# KiCad board mxm_immobilizer.kicad_pcb (continued)
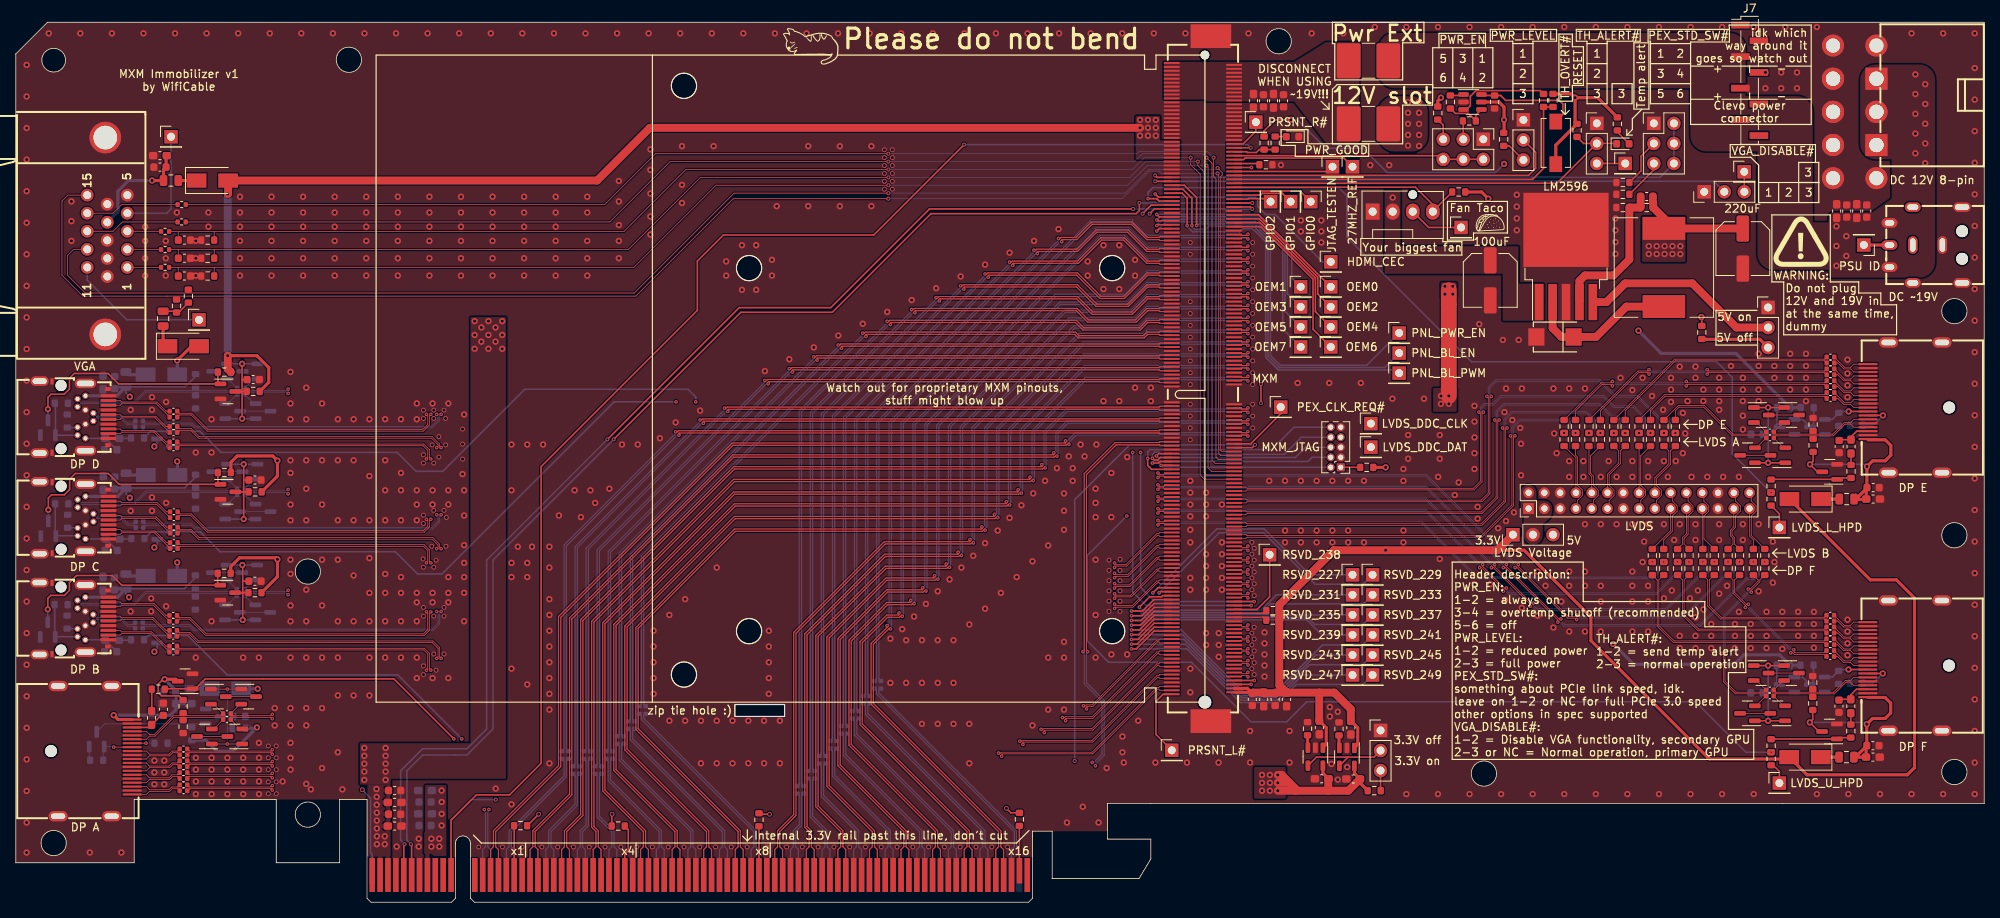
[diagram p0: board, top side]
## Routing (per net, layer and track width the routed paths; a pad name or vN(x,y) marks a point on that pad's centre or on a via; arc(x,y) is an arc through that point) (continued)
Net-(Q2-G): length 6.9
  Bottom w0.2: R16.2 5,46.46 Q2.1 5.11,46.42 7.83,46.42
Net-(Q3-D): length 29.1
  Top w0.2: Q7.1 13.43,40.17 12.2,41.4 7.7,41.4 6.8,40.5 6.8,39.51 6.17,38.88 4.43,38.88 4.05,38.5 v1(4.05,37.1) ; Q7.1 25.57,40.51 R21.1 ; Q7.1 25.9,40.17 25.7,40.37
  Bottom w0.2: Q3.3 v1(4.05,37.1)
Net-(Q3-G): length 7
  Bottom w0.2: R17.2 4.93,33.69 Q3.1 5.04,33.65 mDP_B1.4
Net-(Q4-D): length 14.2
  Bottom w0.1: Q4.3 11.26,22.6 Q8.1
Net-(Q4-G): length 5.3
  Top w0.1: DP_A1.13 v3(12.4,19.65)
  Bottom w0.1: v3(12.4,19.65) 12.34,19.71 Q4.1 11.07,19.59 11.07,18
Net-(Q10-D): length 3.9
  Bottom w0.1: Q10.3 Q18.3
Net-(Q10-G): length 16.8
  Top w0.2: Q5.3 28.63,64.72 ; 28.63,64.72 R24.1 ; 28.63,64.72 28.68,64.67 ; 28.68,64.67 28.68,66.17 ; 28.68,64.67 v1(28.68,61.27) ; 28.68,66.17 28.72,66.22 C58.2 ; 28.68,66.17 v1(28.68,68.22)
  Bottom w0.2: Q18.1 Q10.1 ; Q17.1 v1(28.68,68.22) Q9.1
Net-(Q11-D): length 3.9
  Bottom w0.1: Q11.3 Q19.3
Net-(Q11-G): length 17
  Top w0.2: 28.88,53.5 28.88,51.95 ; 28.88,53.5 v1(28.88,55.5) ; 28.88,53.5 C59.2 ; 28.88,51.95 28.93,52 R27.1 ; 28.88,51.95 v1(28.88,48.55) ; 28.88,51.95 28.82,52 Q6.3
  Bottom w0.2: Q20.1 v1(28.88,48.55) Q12.1 ; Q19.1 v1(28.88,55.5) Q11.1
Net-(Q12-D): length 3.9
  Bottom w0.1: Q12.3 Q20.3
Net-(Q13-D): length 3.9
  Bottom w0.1: Q13.3 Q21.3
Net-(Q13-G): length 17.3
  Top w0.2: 28.75,40.72 28.8,40.67 C60.2 ; 28.75,40.72 28.75,39.12 ; 28.75,40.72 28.75,42.67 ; 28.75,39.12 v1(28.75,35.77) ; 28.75,39.12 28.65,39.22 ; R30.1 28.65,39.22 ; 28.65,39.22 Q7.3 ; 28.75,42.72 28.7,42.77
  Bottom w0.2: Q21.1 v1(28.7,42.72) Q13.1 ; Q22.1 v1(28.75,35.77) Q14.1
Net-(Q14-D): length 3.8
  Bottom w0.1: Q14.3 Q22.3
Net-(Q15-D): length 3.8
  Top w0.1: Q23.3 Q15.3
Net-(Q15-G): length 16.9
  Top w0.1: Q24.1 v3(26.8,20.05) Q16.1 ; Q23.1 v3(26.8,27) Q15.1
  Bottom w0.1: C61.2 26.8,23.55 ; 26.8,23.55 Q8.3 ; 26.8,23.55 v3(26.8,27) ; 26.8,23.55 26.8,22.05 ; R33.1 26.8,22.05 ; 26.8,22.05 v3(26.8,20.05)
Net-(Q16-D): length 3.9
  Top w0.1: Q24.3 Q16.3
Net-(Q17-D): length 3.9
  Bottom w0.1: Q9.3 Q17.3
Net-(Q25-D): length 3.8
  Top w0.1: Q25.3 Q29.3
Net-(Q25-G): length 19.8
  Top w0.2: Q29.1 v1(222,62.68) Q25.1 ; Q30.1 v1(222,55.68) Q26.1
  Bottom w0.2: R106.1 223.13,60.57 Q33.3 222.95,60.23 222,59.28 ; 222,59.28 C79.2 ; 222,59.28 v1(222,62.68) ; 222,59.28 v1(222,55.68)
Net-(Q26-D): length 3.8
  Top w0.1: Q26.3 Q30.3
Net-(Q27-D): length 3.8
  Top w0.1: Q27.3 Q31.3
Net-(Q27-G): length 19.8
  Top w0.2: Q31.1 v1(222.01,29.99) Q27.1 ; Q28.1 Q32.1
  Bottom w0.2: 222.01,26.51 221.98,26.54 C80.2 ; 222.01,26.51 v1(222.01,29.99) ; 222.01,26.51 223.08,27.59 Q34.3 223.11,27.92 R109.1 ; 222.01,26.51 v1(222.01,22.99)
Net-(Q28-D): length 3.8
  Top w0.1: Q32.3 Q28.3
Net-(Q33-G): length 5
  Bottom w0.2: R112.1 227.78,60.69 Q35.3 226.36,61.18 Q33.1
Net-(Q34-G): length 5
  Bottom w0.2: R113.1 227.76,28.05 Q36.3 226.34,28.54 Q34.1
Net-(Q35-G): length 5.9
  Top w0.2: DP_E1.13 v1(232.2,62.18)
  Bottom w0.2: Q35.1 230.12,61.18 R114.1 231.13,62.18 v1(232.2,62.18)
Net-(Q36-G): length 5.9
  Top w0.2: DP_F1.13 v1(232.18,29.49)
  Bottom w0.2: Q36.1 230.16,28.54 R115.1 231.11,29.49 v1(232.18,29.49)
Net-(U1-ISET): length 1.6
  Top w0.4: R74.2 167.64,19.6 U1.3
Net-(U2-ISET): length 1.6
  Top w0.4: U2.3 163.65,19.62 R75.2
Net-(U3-D): length 12
  Top w0.2: R48.2 193.13,102.85 185,102.85 184.27,102.12 184.27,100.92 183.8,100.45 U3.3
Net-(U3-LE): length 1.7
  Top w0.2: R76.2 183.29,102.22 U3.1
Net-(U3-Q): length 5.6
  Top w0.2: R76.1 182.37,99.95 184.02,99.95 R77.1 184.98,99.74 U3.4
Net-(U3-~{OE}): length 13.4
  Top w0.2: U3.6 185.81,102.22 R73.1 188.12,102.22 188.75,101.6 195.55,101.6 196,101.15 196,99.82 SW1.2
Net-(U4-FB): length 19.5
  Top w1: C116.1 205.85,88.07 R118.2 R121.1 204.43,81.45 202.4,79.42 198.8,79.42 198.1,78.72 U4.4
Net-(VGA1-BLUE): length 4.3
  Top w0.1: VGA1.3 18.39,85.02 FB1.1
Net-(VGA1-GREEN): length 4.3
  Top w0.1: VGA1.2 18.38,82.73 FB2.1
Net-(VGA1-HSYNC): length 11.9
  Top w0.1: VGA1.13 12.32,85.02 13.5,86.2 FB4.1
Net-(VGA1-ID0): length 17.9
  Bottom w0.2: VGA1.11 9.05,78.81 14.07,73.8 TP2.1
Net-(VGA1-ID2): length 14.9
  Bottom w0.2: TP1.1 19.67,87.85 19.13,87.31 VGA1.4
Net-(VGA1-RED): length 4.3
  Top w0.1: VGA1.1 18.39,80.44 FB3.1
Net-(VGA1-VSYNC): length 11.9
  Top w0.1: VGA1.14 12.31,87.31 13.4,88.4 FB5.1

## Copper pours and planes (outline as drawn; the poured copper is in the pictures)
3V3_SLOT on Top: 182.55,62.15 179.55,62.15 179.55,65.15 182.55,65.15
3V3_SLOT on Top: 160.88,13.13 156.88,13.13 156.88,17.13 160.88,17.13
3V3_SLOT on Top: 182.55,76.55 180.55,76.55 180.55,78.55 182.55,78.55
3V3_SLOT on Top: 54.55,5.85 52.55,5.85 52.55,5.55 51.75,5.55 51.75,8.95 51.85,8.95 51.85,14.85 54.55,14.85
3V3_SLOT on Bottom: 54.55,5.55 52.75,5.55 52.75,5.85 51.75,5.85 51.75,8.95 51.85,8.95 51.85,14.85 54.55,14.85
3V3_SLOT on In3.Cu: 160.88,13.13 156.88,13.13 156.88,17.13 160.88,17.13
3V3_SLOT on In3.Cu: 182.55,76.55 180.55,76.55 180.55,78.55 182.55,78.55
3V3_SLOT on In3.Cu: 182.55,62.15 179.55,62.15 179.55,65.15 182.55,65.15
5V_REG on Top: 211.53,81.13 206.03,81.13 206.03,86.88 211.53,86.88
5V_REG on Top: 144.98,96.53 147.48,96.53 147.48,94.13 141.88,94.13 141.88,99.63 144.98,99.63
5V_REG on In3.Cu: 211.53,81.13 206.03,81.13 206.03,86.88 211.53,86.88
5V_REG on In3.Cu: 144.98,96.63 141.88,96.63 141.88,99.63 144.98,99.63
12V_SLOT on Top: 62.1,15.65 47.5,15.65 47.5,14.9 43.6,14.9 43.6,20.15 57.6,20.15 57.6,74.15 62.1,74.15
12V_SLOT on Top: 47.5,5.55 44.55,5.55 44.55,14.9 47.5,14.9
12V_SLOT on Top: 175.43,83.13 190.38,83.13 190.38,78.38 193.58,78.38 193.58,73.68 188.38,73.68 188.38,79.63 173.43,79.63 173.43,90.13 175.43,90.13
12V_SLOT on Top: 178.88,95.13 172.63,95.13 172.63,102.13 178.88,102.13
12V_SLOT on Bottom: 178.88,95.13 172.63,95.13 172.63,96.23 167.13,96.23 163.38,101.63 105.38,101.63 73.38,69.63 57.63,69.63 57.63,74.13 70.88,74.13 102.88,106.13 167.38,106.13 170.13,102.13 178.88,102.13
12V_SLOT on Bottom: 47.5,14.9 43.6,14.9 43.6,20.15 47.5,20.15
12V_SLOT on Bottom: 47.5,5.55 45.25,5.55 45.25,14.9 47.5,14.9
12V_SLOT on In3.Cu: 178.88,95.13 175.38,95.13 175.38,102.13 178.88,102.13
GND on Top: 249.35,12.5 138.3,12.5 138.3,9 128.8,9 128.8,5.55 57.6,5.55 57.6,7.45 57.4,8.2 56.65,8.4 55.9,8.2 55.7,7.45 55.7,5.55 44.5,5.55 44.5,13 14.98,13 14.98,5.03 -0.02,5.03 -0.02,107.5 3.98,111.5 249.35,111.5
GND on Bottom: 249.35,12.5 138.3,12.5 138.3,9 128.8,9 128.8,5.55 57.6,5.55 57.6,7.45 57.4,8.2 56.65,8.4 55.9,8.2 55.7,7.45 55.7,5.55 44.5,5.55 44.5,13 14.98,13 14.98,5.03 -0.02,5.03 -0.02,107.5 3.98,111.5 249.35,111.5
GND on In1.Cu: 249.35,12.5 138.3,12.5 138.3,9 128.8,9 128.8,5.55 57.6,5.55 57.6,7.45 57.4,8.2 56.65,8.4 55.9,8.2 55.7,7.45 55.7,5.55 44.5,5.55 44.5,13 14.98,13 14.98,5.03 -0.02,5.03 -0.02,107.5 3.98,111.5 249.35,111.5
GND on In2.Cu: 249.34,12.51 138.29,12.51 138.29,9.01 128.79,9.01 128.79,5.56 57.59,5.56 57.59,7.46 57.39,8.21 56.64,8.41 55.89,8.21 55.69,7.46 55.69,5.56 44.49,5.56 44.49,13.01 14.97,13.01 14.97,5.04 -0.03,5.04 -0.03,107.51 3.97,111.51 249.34,111.51
GND on In3.Cu: 249.35,12.5 138.3,12.5 138.3,9 128.8,9 128.8,5.55 57.6,5.55 57.6,7.45 57.4,8.2 56.65,8.4 55.9,8.2 55.7,7.45 55.7,5.55 44.5,5.55 44.5,13 14.98,13 14.98,5.03 -0.02,5.03 -0.02,107.5 3.98,111.5 249.35,111.5
GND on In4.Cu: 249.35,12.5 138.3,12.5 138.3,9 128.8,9 128.8,5.55 57.6,5.55 57.6,7.45 57.4,8.2 56.65,8.4 55.9,8.2 55.7,7.45 55.7,5.55 44.5,5.55 44.5,13 14.98,13 14.98,5 -0.02,5 -0.02,107.5 3.98,111.5 249.35,111.5
/MXM_PWR_SRC on Top: 170.2,96.22 165.95,96.22 161.95,101.47 150.7,101.47 150.7,101.72 145.45,101.72 145.45,106.47 161.95,106.47 165.95,108.97 170.2,108.97
LVDS_VCC on Top: 192.65,50.9 194.65,50.9 194.65,48.9 193.45,47.9 193.45,45.3 191.05,45.3 191.05,48.9 190.65,48.9 190.65,52.9 192.65,52.9
LVDS_VCC on Bottom: 192.64,50.9 194.64,50.9 194.64,48.9 193.44,47.9 193.44,45.3 191.04,45.3 191.04,48.9 190.64,48.9 190.64,52.9 192.64,52.9
PWR_Ext on Top: 227.66,102.15 227.66,86.15 231.44,86.15 231.44,80.15 220.66,80.15 220.66,95.15 212.16,95.15 212.16,103.15 172.66,103.15 172.66,110.15 219.16,110.15 219.16,102.15
PWR_Ext on Top: 243.16,79.15 229.66,79.15 229.66,87.4 235.16,87.4 237.66,89.15 237.66,94.15 233.66,94.15 233.66,106.15 243.16,106.15
PWR_Ext on Bottom: 243.16,79.15 229.66,79.15 229.66,87.4 235.16,87.4 237.66,89.15 237.66,94.15 233.66,94.15 233.66,106.15 243.16,106.15

## Text on the board
B.Silkscreen: Header description: / PWR_EN: / 1-2 = always on / 3-4 = overtemp shutoff (recommended) / 5-6 = off / PWR_LEVEL: / 1-2 = reduced power / 2-3 = full power / PEX_STD_SW#: / something about PCIe link speed, idk. / leave on 1-2 or NC for full PCIe 3.0 speed / other options in spec supported / VGA_DISABLE#: / 1-2 = Disable VGA functionality, secondary GPU / 2-3 or NC = Normal operation, primary GPU | TH_ALERT#: / 1-2 = send temp alert / 2-3 = normal operation | Your biggest fan | 3.3V off | 3.3V on | Fan Taco | PWR_EN | 5  3  1 | 6  4  2 | PWR_LEVEL | 1 | 2 | 3 | 3.3V           5V | LVDS Voltage | TH_ALERT# | 1  2 | 3  4 | 5  6 | PEX_STD_SW# | 5V on | 5V off | VGA_DISABLE# | DC ~19V | DC 12V 8-pin / on the back | v1 / by WifiCable | MXM IMMOBILIZER
F.Silkscreen: Header description: / PWR_EN: / 1-2 = always on / 3-4 = overtemp shutoff (recommended) / 5-6 = off / PWR_LEVEL: / 1-2 = reduced power / 2-3 = full power / PEX_STD_SW#: / something about PCIe link speed, idk. / leave on 1-2 or NC for full PCIe 3.0 speed / other options in spec supported / VGA_DISABLE#: / 1-2 = Disable VGA functionality, secondary GPU / 2-3 or NC = Normal operation, primary GPU | TH_ALERT#: / 1-2 = send temp alert / 2-3 = normal operation | WARNING: / Do not plug / 12V and 19V in / at the same time, / dummy | VGA | DP D | DP C | DP B | DP A | MXM Immobilizer v1 / by WifiCable | x1 | x4 | zip tie hole :) | x8 | Internal 3.3V rail past this line, don't cut | Watch out for proprietary MXM pinouts, / stuff might blow up | x16 | MXM | DISCONNECT / WHEN USING / ~19V!!! | PWR_GOOD | Your biggest fan | 3.3V off | 3.3V on | PWR_EN | 5  3  1 | 6  4  2 | Fan Taco | 100uF | PWR_LEVEL | 1 | 2 | 3 | 3.3V           5V | LVDS Voltage | LM2596 | TH_ALERT# | LVDS | 1  2 | 3  4 | 5  6 | PEX_STD_SW# | DP E | LVDS A | 5V on | 5V off | 220uF | +         - | Clevo power / connector | VGA_DISABLE# | DP F | LVDS B | PSU ID | DC ~19V | DC 12V 8-pin | idk which / way around it / goes so watch out | TH_OVERT# / RESET | Temp alert | Pwr Ext | 12V slot | Please do not bend
User.1: Redo todo: / [ ] Re-route PCIe and DP so the 3.3V rail isn't pushed down so far / [ ] Fix the AUX diffpair abuse / [ ] Make all the headers be not totally awful / [ ] Add jumper storage header / [ ] Add default position 0R resistors for headers / [ ] Diffpair wiggles / [ ] DP diffpair between-lane length matching / [ ] Remove ground plane around PCIe traces / [ ] Change mxm mount screw holes to be plated so you can solder on screw posts / [x] Remove ribs / [ ] Add capacitors to the set of pcie lanes that needs them
